# Altium PCB LimeSDR-PCIe_1v3.PcbDoc (part 2 of 10)
Units mm, origin at the board's own origin, x right, y up, seen from the top; angles counter-clockwise.
Board outline 136.85 x 68.9 mm, 12 copper layers (Top, L2, L3, L4, L5, L6, L7, L8, L9, L10, L11, Bottom), stack 1.638 mm thick; 831 components, 538 nets, 3821 pads, 1805 vias.
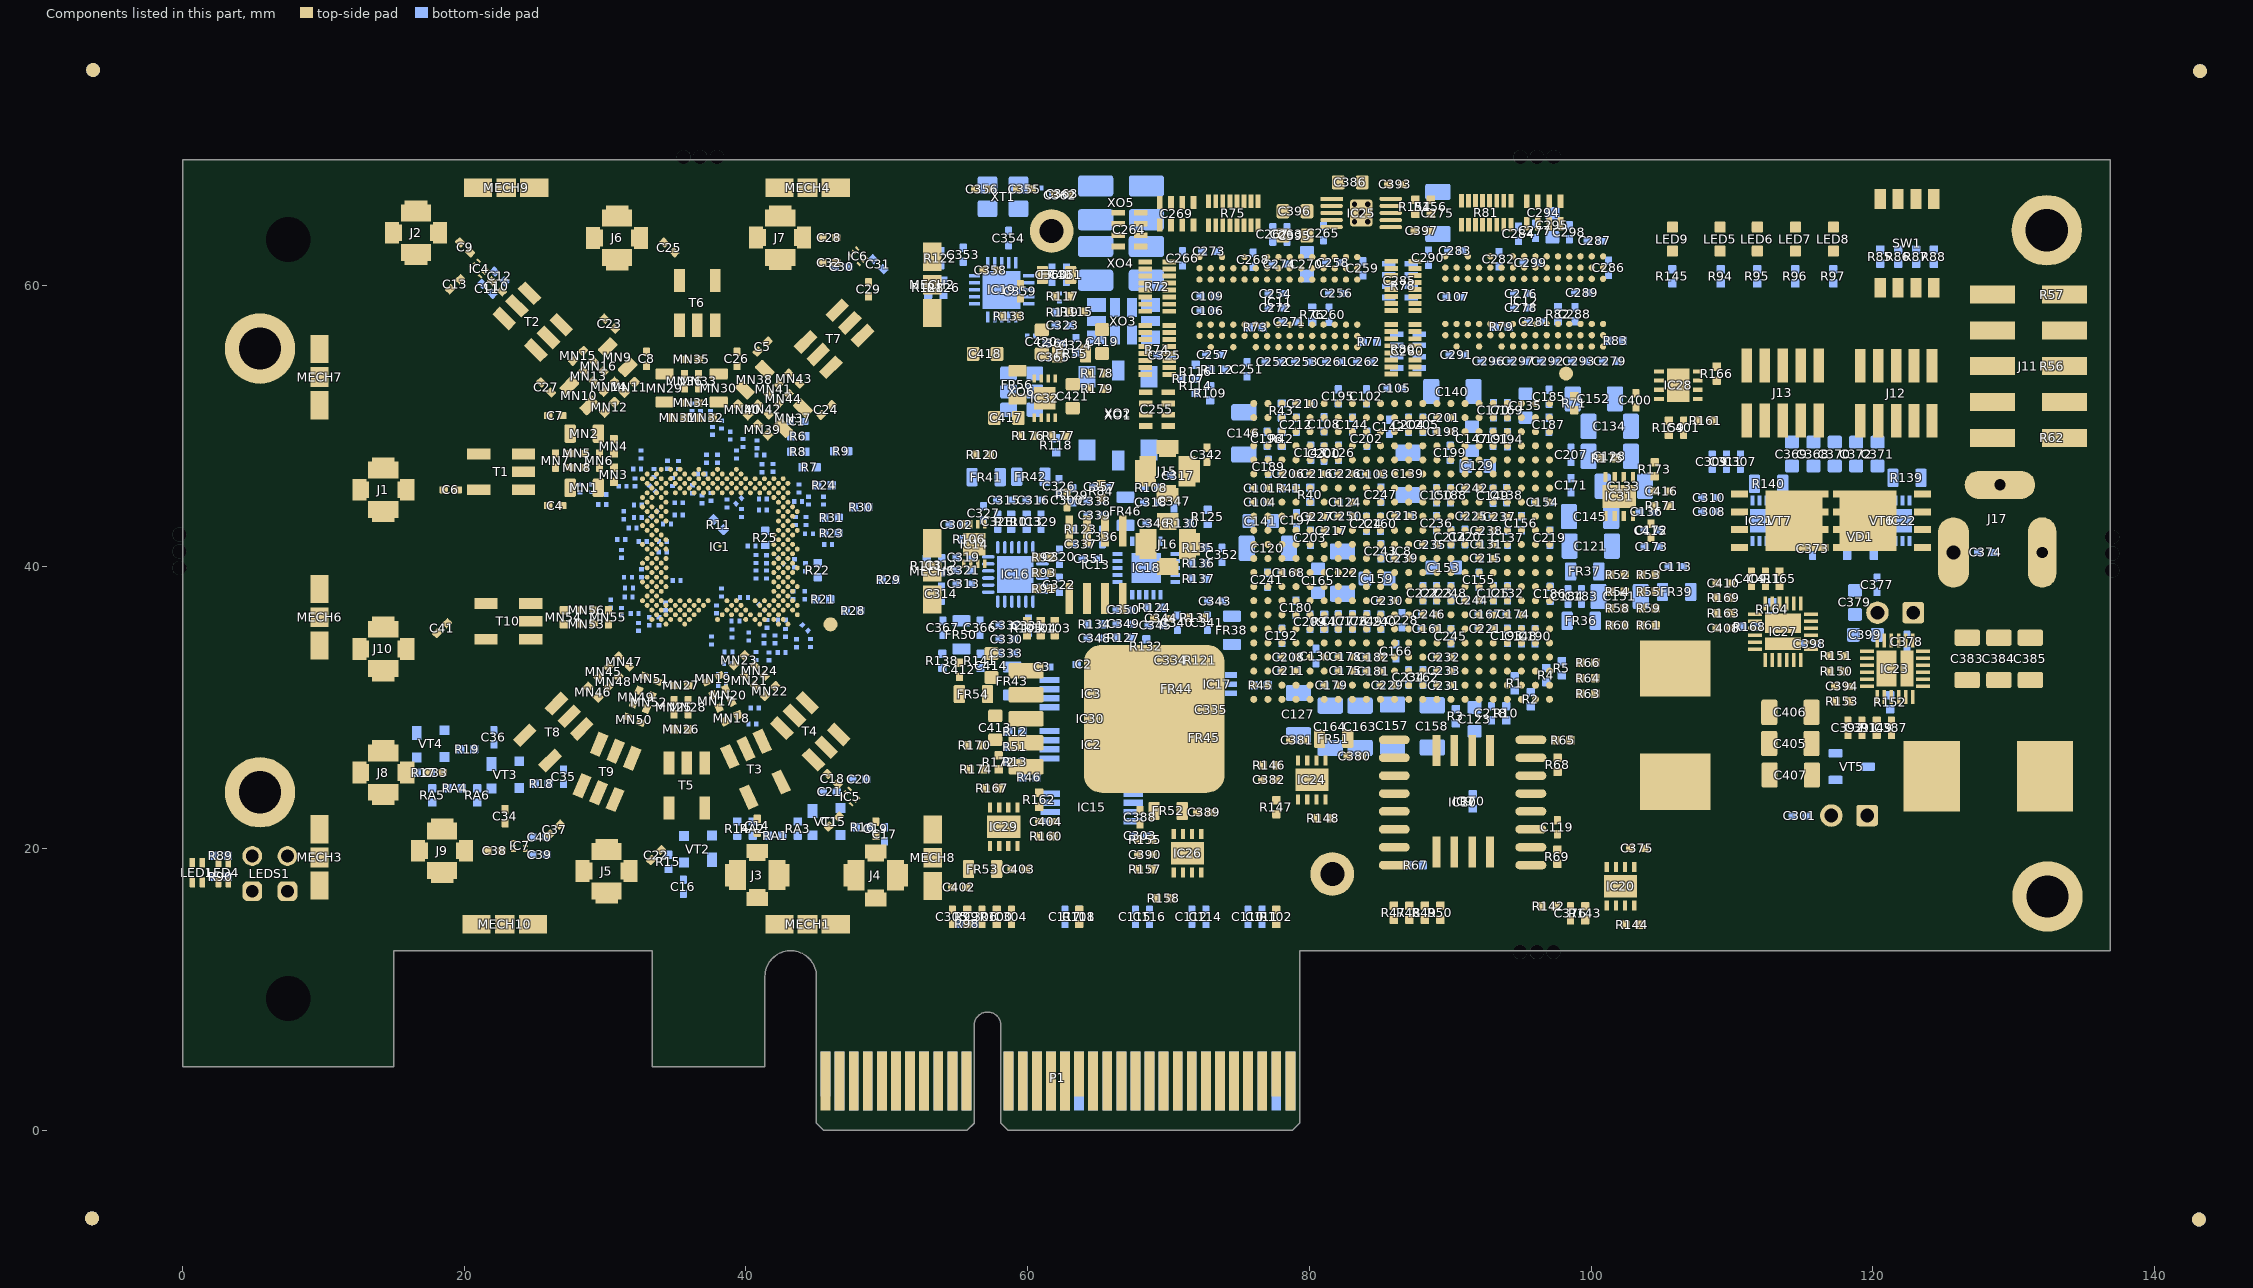
[diagram p12: the components of this part, seen from the top]

## Components (designator, comment, footprint, x,y, rotation, side; value= is the part's Value field where it differs from the comment) (continued)
C403 "4.7uF, 6.3V" CAP0402#2 59.375,18.525 r180 top
C404 "4.7uF, 6.3V" CAP0402#2 61.325,21.925 r180 top
C405 "220uF, 4V" CAP1206#2 114.143,27.462 r180 top
C406 "220uF, 4V" CAP1206#2 114.15,29.675 r180 top
C407 "220uF, 4V" CAP1206#2 114.175,25.225 r180 top
C408 "1uF, 10%" CAP0402#2 109.425,35.65 r180 top
C409 "68pF" CAP0402#2 111.375,39.15 r90 top
C410 "1500pF" CAP0402#2 109.425,38.85 r0 top
C411 "22nF, 50V" CAP0402#2 112.375,39.15 r90 top
C412 "4.7uF, 6.3V" CAP0402#2 55.15,32.7 r270 top
C413 "10uF, 20%" CAP0603#2 57.7,28.575 r270 top
C414 "10uF, 20%" CAP0603#2 57.425,33 r270 top
C415 "4.7uF, 6.3V" CAP0402#2 104.25,42.575 r270 top
C416 "4.7uF, 6.3V" CAP0402#2 105.012,45.375 r180 top
C417 "10uF, 20%" CAP0603#2 58.487,50.575 r0 top
C418 "10uF, 20%" CAP0603#2 56.975,55.125 r0 top
C419 "10uF, 25V" CAP0603#2 65.288,56 r270 top
C420 "10uF, 25V" CAP0603#2 61,55.975 r270 top
C421 "10uF, 25V" CAP0603#2 63.2,52.125 r90 top
F1 "Fiducial" FIDUCIAL 143.226,75.2 r0 top
F2 "Fiducial" FIDUCIAL 143.15,-6.326 r0 top
F3 "Fiducial" FIDUCIAL -6.426,-6.25 r0 top
F4 "Fiducial" FIDUCIAL -6.35,75.276 r0 top
F5 "Fiducial" FIDUCIAL -6.426,-6.25 r180 bottom
F6 "Fiducial" FIDUCIAL 143.15,-6.326 r180 bottom
F7 "Fiducial" FIDUCIAL 143.226,75.2 r180 bottom
F8 "Fiducial" FIDUCIAL -6.35,75.276 r180 bottom
FL1 "Fiducial" FIDUCIAL_LOCAL 46,35.925 r0 top
FL2 "Fiducial" FIDUCIAL_LOCAL 98.225,53.725 r90 top
FR1 "600R, 0.27A" RES0201 31.244,45.726 r180 bottom
FR2 "600R, 0.27A" RES0201 31.951,42.769 r0 bottom
FR3 "600R, 0.27A" RES0201 30.399,37.381 r270 bottom
FR4 "600R, 0.27A" RES0201 37.549,34.781 r270 bottom
FR5 "600R, 0.27A" RES0201 44.575,34.595 r270 bottom
FR6 "600R, 0.27A" RES0201 37.625,49.655 r90 bottom
FR7 "600R, 0.27A" RES0201 36.605,50.486 r0 bottom
FR8 "600R, 0.27A" RES0201 37.486,50.77 r270 bottom
FR9 "600R, 0.27A" RES0201 29.795,45.15 r0 bottom
FR10 "600R, 0.27A" RES0201 41.499,35.956 r270 bottom
FR11 "600R, 0.27A" RES0201 40.455,28.85 r180 bottom
FR12 "600R, 0.27A" RES0201 31.169,40.926 r90 bottom
FR13 "600R, 0.27A" RES0201 41.924,47.031 r270 bottom
FR14 "600R, 0.27A" RES0201 41.199,44.031 r180 bottom
FR15 "600R, 0.27A" RES0201 37.199,47.681 r90 bottom
FR16 "600R, 0.27A" RES0201 33.476,46.669 r270 bottom
FR17 "600R, 0.27A" RES0201 36.199,45.513 r270 bottom
FR18 "600R, 0.27A" RES0201 32.676,41.794 r0 bottom
FR19 "600R, 0.27A" RES0201 32.379,35.745 r90 bottom
FR20 "600R, 0.27A" RES0201 33.134,36.141 r90 bottom
FR21 "600R, 0.27A" RES0201 38.994,35.276 r270 bottom
FR22 "600R, 0.27A" RES0201 40.724,33.676 r270 bottom
FR23 "600R, 0.27A" RES0201 41.274,34.856 r270 bottom
FR24 "600R, 0.27A" RES0201 41.124,37.131 r315 bottom
FR25 "600R, 0.27A" RES0201 38.882,49.323 r90 bottom
FR26 "600R, 0.27A" RES0201 36.849,46.581 r180 bottom
FR27 "600R, 0.27A" RES0201 34.424,47.256 r90 bottom
FR28 "600R, 0.27A" RES0201 34.095,41.05 r0 bottom
FR29 "600R, 0.27A" RES0201 34.1,41.8 r0 bottom
FR30 "600R, 0.27A" RES0201 38.312,31.593 r0 bottom
FR31 "600R, 0.27A" RES0201 40.625,29.975 r0 bottom
FR32 "600R, 0.27A" RES0201 31.628,39.268 r180 bottom
FR33 "600R, 0.27A" RES0201 31.699,38.506 r180 bottom
FR34 "600R, 0.27A" RES0201 34.274,37.201 r270 bottom
FR35 "600R, 0.27A" RES0201 39.324,47.981 r90 bottom
FR36 "600R, 2A" RES0805#1 99.3,36.175 r180 bottom
FR37 "600R, 2A" RES0805#1 99.55,39.675 r180 bottom
FR38 "600R, 2A" RES0805#1 74.5,35.5 r90 bottom
FR39 "600R, 2A" RES0805#1 106.075,38.225 r180 bottom
FR40 "600R, 2A" RES0805#2 62.05,60.725 r0 top
FR41 "600R, 2A" RES0805#1 57.05,46.375 r180 bottom
FR42 "600R, 2A" RES0805#1 60.225,46.4 r0 bottom
FR43 "600R, 2A" RES0805#1 58.9,31.9 r90 bottom
FR44 "600R, 2A" RES0805#1 70.6,31.354 r90 bottom
FR45 "600R, 2A" RES0805#1 72.525,27.871 r90 bottom
FR46 "600R, 2A" RES0805#1 66.95,43.95 r270 bottom
FR47 "600R, 0.27A" RES0201 62.251,59.123 r90 bottom
FR48 "600R, 0.27A" RES0201 60.698,66.899 r0 bottom
FR49 "600R, 0.27A" RES0201 60.255,56.4 r0 bottom
FR50 "600R, 2A" RES0805#1 55.3,35.175 r90 bottom
FR51 "600R, 2A" RES0805#2 81.725,27.8 r180 top
FR52 "600R, 2A" RES0805#2 69.975,22.675 r0 top
FR53 "600R, 2A" RES0805#2 56.8,18.55 r0 top
FR54 "600R, 2A" RES0805#2 56.15,30.975 r0 top
FR55 "600R, 2A" RES0805#2 63.112,55.15 r180 top
FR56 "600R, 2A" RES0805#2 59.275,52.925 r90 top
IC1 "LMS7002M" LMS7002M_v2 37.984,41.437 r0 top locked
IC2 "M24128" 24FC512 64.5,27.375 r180 bottom
IC3 "24FC512" 24FC512 64.5,31 r180 bottom
IC4 "SKY13323" SKY13323-378LF 21.066,61.184 r315 top
IC5 "SKY13323" SKY13323-378LF 47.41,23.693 r135 top
IC6 "SKY13323" SKY13323-378LF 47.947,62.053 r315 top
IC7 "SKY13323" SKY13323-378LF 23.925,20.2 r0 top
IC8 "EP4CGX30CF23C7N" ALTR-FBGA484_A-200 86.55,41.1 r180 top locked
IC9 "S25FL164K" S25FL164K_WSO8N 90.925,23.35 r270 top
IC10 "S25FL164K" SOIC16_WIDE 90.875,23.275 r180 top
IC11 "AS4C64M16D2-25BCN" AS4C64M16D2 77.8,58.8 r270 top
IC12 "AS4C64M16D2-25BCN" AS4C64M16D2 95.25,58.85 r270 top
IC13 "M25P40" M25P40-VMN6TPB_SO8N 64.85,40.15 r90 top
IC14 "LM75" HWSON8_LM75 56.2,41.625 r90 top
IC15 "M24128" 24FC512 64.55,22.925 r0 bottom
IC16 "LMK00105" LMK00105SQ 59.125,39.462 r270 bottom
IC17 "AD5601BKSZ-REEL7" AD5601_SOT23-6 73.475,31.675 r180 bottom
IC18 "ADF4002" ADF4002 68.425,39.925 r0 bottom
IC19 "Si5351C" Si5351C_20QFN 58.15,59.675 r90 bottom
IC20 "AP7361-FGE" AP7361 102.087,17.325 r90 top
IC21 "LTC4357" LTC4357 111.95,43.275 r90 bottom
IC22 "LTC4357" LTC4357 122.1,43.275 r270 bottom
IC23 "ADP2386" ADP2386 121.574,32.776 r90 top
IC24 "AP7361-FGE" AP7361 80.175,24.875 r90 top
IC25 "RT9026" MSOP10 81.575,66.125 r0 top
IC26 "AP7361-FGE" AP7361 71.35,19.675 r90 top
IC27 "ADP2386" ADP2386 113.625,35.4 r0 top
IC28 "AP7361-FGE" AP7361 106.2,52.9 r180 top
IC29 "AP7361-FGE" AP7361 58.3,21.55 r270 top
IC30 "LP38503TS" TO-263-5_v2 65.936,29.215 r0 top
IC31 "AP7361-FGE" AP7361 102,45 r270 top
IC32 "SPX3819R2" SPX3819R2-L/TR 61.212,51.975 r270 top
J1 "U.FL/MMCX" MMCX_UFL_conn_u 14.25,45.475 r270 top
J2 "U.FL/MMCX" MMCX_UFL_conn_u 16.575,63.725 r270 top
J3 "U.FL/MMCX" MMCX_UFL_conn_u 40.8,18.125 r0 top
J4 "U.FL/MMCX" MMCX_UFL_conn_u 49.216,18.1 r0 top
J5 "U.FL/MMCX" MMCX_UFL_conn_u 30.1,18.4 r270 top
J6 "U.FL/MMCX" MMCX_UFL_conn_u 30.85,63.36 r270 top
J7 "U.FL/MMCX" MMCX_UFL_conn_u 42.425,63.375 r270 top
J8 "U.FL/MMCX" MMCX_UFL_conn_u 14.251,25.401 r270 top
J9 "U.FL/MMCX" MMCX_UFL_conn_u 18.425,19.85 r270 top
J10 "U.FL/MMCX" MMCX_UFL_conn_u 14.25,34.175 r270 top
J11 "JTAG_10pinConnector" HEADER5x2_SM 131.05,54.25 r90 top locked
J12 "FPGA GPIO" SWD_10_pin 121.65,52.325 r0 top
J13 "FPGA GPIO" SWD_10_pin 113.6,52.35 r0 top
J14 "12V FAN" HDR_1X2 118.325,22.35 r270 top
J15 "U.FL/MMCX" MMCX_UFL_conn_u 69.925,46.8 r180 top
J16 "U.FL/MMCX" MMCX_UFL_conn_u 69.95,41.625 r0 top
J17 "CONN_PWR_JACK_2.1x5.5mm" CONN_PWR_JACK_v2 139.725,41.025 r270 top locked
J18 "12V" HDR_1X2 121.6,36.75 r270 top
L1 "2.2uH" FDVE1040_TOKO_INDUCTOR 128.204,25.149 r0 top
L2 "1uH" FDVE1040_TOKO_INDUCTOR 105.987,28.762 r270 top
LED1 "LED_RG_SMD" LED-2x0603 1.075,18.225 r270 top
LED4 "LED_RG_SMD" LED-2x0603 2.925,18.225 r270 top
LED5 "LED_green" LED-0603-GREEN 109.155,63.275 r90 top
LED6 "LED_green" LED-0603-GREEN 111.8,63.275 r90 top
LED7 "LED_green" LED-0603-GREEN 114.505,63.275 r90 top
LED8 "LED_green" LED-0603-GREEN 117.205,63.275 r90 top
LED9 "LED_green" LED-0603-GREEN 105.775,63.275 r90 top
LEDS1 "2xLED standoff" LED_STANDOFF_H-201C 6.2,18.225 r90 top
MECH1 "RFI Shield clip" RFI_SHIELD_CLPS_MINI 44.375,14.625 r180 top
MECH2 "RFI Shield clip" RFI_SHIELD_CLPS_MINI 53.225,60.025 r90 top
MECH3 "RFI Shield clip" RFI_SHIELD_CLPS_MINI 9.725,19.375 r90 top
MECH4 "RFI Shield clip" RFI_SHIELD_CLPS_MINI 44.375,66.925 r180 top
MECH5 "RFI Shield clip" RFI_SHIELD_CLPS_MINI 53.225,39.675 r90 top
MECH6 "RFI Shield clip" RFI_SHIELD_CLPS_MINI 9.725,36.425 r90 top
MECH7 "RFI Shield clip" RFI_SHIELD_CLPS_MINI 9.725,53.475 r90 top
MECH8 "RFI Shield clip" RFI_SHIELD_CLPS_MINI 53.25,19.35 r90 top
MECH9 "RFI Shield clip" RFI_SHIELD_CLPS_MINI 22.975,66.925 r180 top
MECH10 "RFI Shield clip" RFI_SHIELD_CLPS_MINI 22.875,14.625 r180 top
MECH11 "# pcs." PCB_standoff 132.35,63.9 r0 top locked
MECH12 "# pcs." PCB_standoff 132.4,16.6 r0 top
MECH13 "# pcs." PCB_standoff 5.5,24 r0 top
MECH14 "# pcs." PCB_standoff 5.5,55.5 r0 top
MN1 "100uH" RES0805#2 28.52,45.617 r180 top
MN2 "100uH" RES0805#2 28.52,49.462 r180 top
MN3 "47nH" RES0402#1 30.63,46.552 r270 top
MN4 "47nH" RES0402#1 30.63,48.552 r90 top
MN5 "100nF, 10%" CAP0402#2 28.03,48.052 r0 top
MN6 "0.5pF" CAP0402#2 29.59,47.553 r90 top
MN7 "2pF" CAP0402#2 26.48,47.552 r90 top
MN8 "100nF, 10%" CAP0402#2 28.03,47.052 r180 top
MN9 "0uH (0R)" RES0805#2 30.888,54.888 r135 top
MN10 "0uH (0R)" RES0805#2 28.17,52.169 r135 top
MN11 "8.2nH, 5%" RES0402#1 31.729,52.745 r45 top
MN12 "8.2nH, 5%" RES0402#1 30.315,51.331 r225 top
MN13 "0.8pF" CAP0402#2 28.83,53.534 r315 top
MN14 "1pF" CAP0402#2 30.279,52.791 r45 top
MN15 "0.5pF" CAP0402#2 28.087,54.983 r225 top
MN16 "0.8pF" CAP0402#2 29.537,54.241 r315 top
MN17 "510pF" CAP0402#2 37.875,30.454 r115 top
MN18 "8.2nH, 5%" RES0402#1 38.983,29.261 r205 top
MN19 "1.2pF" CAP0402#2 37.673,32.059 r205 top
MN20 "510pF" CAP0402#2 38.781,30.877 r115 top
MN21 "2pF" CAP0402#2 40.268,31.924 r135 top
MN22 "0.5pF" CAP0402#2 41.718,31.182 r225 top
MN23 "1pF" CAP0402#2 39.526,33.374 r225 top
MN24 "2pF" CAP0402#2 40.976,32.631 r135 top
MN25 "100pF, 5%" CAP0402#2 34.899,30.033 r90 top
MN26 "10nH, 5%" RES0402#1 35.399,28.483 r180 top
MN27 "0.8pF" CAP0402#2 35.399,31.583 r0 top
MN28 "100pF, 5%" CAP0402#2 35.899,30.033 r90 top
MN29 "100uH" RES0805#2 34.22,52.701 r90 top
MN30 "100uH" RES0805#2 38.065,52.701 r90 top
MN31 "47nH" RES0402#1 35.144,50.591 r180 top
MN32 "47nH" RES0402#1 37.144,50.591 r0 top
MN33 "100nF, 10%" CAP0402#2 36.645,53.191 r270 top
MN34 "0.5pF" CAP0402#2 36.144,51.641 r0 top
MN35 "2pF" CAP0402#2 36.144,54.741 r0 top
MN36 "100nF, 10%" CAP0402#2 35.645,53.191 r90 top
MN37 "0uH (0R)" RES0805#2 43.343,50.571 r45 top
MN38 "0uH (0R)" RES0805#2 40.624,53.289 r45 top
MN39 "8.2nH, 5%" RES0402#1 41.2,49.73 r315 top
MN40 "8.2nH, 5%" RES0402#1 39.786,51.144 r135 top
MN41 "0.8pF" CAP0402#2 41.978,52.629 r225 top
MN42 "1pF" CAP0402#2 41.236,51.179 r315 top
MN43 "0.5pF" CAP0402#2 43.428,53.371 r135 top
MN44 "0.8pF" CAP0402#2 42.685,51.922 r225 top
MN45 "510pF" CAP0402#2 29.893,32.552 r45 top
MN46 "8.2nH, 5%" RES0402#1 29.151,31.103 r135 top
MN47 "1.2pF" CAP0402#2 31.343,33.284 r135 top
MN48 "510pF" CAP0402#2 30.601,31.845 r45 top
MN49 "2pF" CAP0402#2 32.2,30.764 r67.5 top
MN50 "0.5pF" CAP0402#2 32.069,29.141 r157.5 top
MN51 "1pF" CAP0402#2 33.274,32.051 r157.5 top
MN52 "2pF" CAP0402#2 33.124,30.381 r67.5 top
MN53 "100pF, 5%" CAP0402#2 28.681,35.937 r0 top
MN54 "10nH, 5%" RES0402#1 27.071,36.421 r270 top
MN55 "0.8pF" CAP0402#2 30.231,36.437 r90 top
MN56 "100pF, 5%" CAP0402#2 28.681,36.926 r0 top
P1 "PCIeX4-GF-2D-1000-1K-O64" PCIeX4-GF-2D-1000-1K-O64 59.75,3.25 r0 top locked
R1 "10k, 1%" RES0402#2 94.575,31.725 r270 bottom
R2 "10k, 1%" RES0402#2 95.725,30.6 r270 bottom
R3 "10k, 1%" RES0402#2 90.4,29.4 r90 bottom
R4 "10k, 1%" RES0402#2 96.825,32.325 r90 bottom
R5 "10k, 1%" RES0402#2 97.925,32.8 r270 bottom
R6 "49.9R, 1%" RES0402#2 43.725,49.275 r0 bottom
R7 "49.9R, 1%" RES0402#2 44.525,47.075 r0 bottom
R8 "49.9R, 1%" RES0402#2 43.725,48.175 r0 bottom
R9 "49.9R, 1%" RES0402#2 46.75,48.225 r0 bottom
R10 "10k, 1%" RES0402#2 93.975,29.6 r90 bottom
R11 "10k, 1%" RES0402#2 38.05,43 r315 bottom
R12 "2k2, 1%" RES0402#2 59.125,28.3 r0 bottom
R13 "2k2, 1%" RES0402#2 59.125,26.15 r0 bottom
R14 "1k, 1%" RES0402#2 39.374,21.425 r90 bottom
R15 "100R, 1%" RES0402#2 34.499,19.056 r270 bottom
R16 "100R, 1%" RES0402#2 48.303,21.523 r180 bottom
R17 "1k, 1%" RES0402#2 17.125,25.375 r0 bottom
R18 "100R, 1%" RES0402#2 25.503,24.598 r180 bottom
R19 "100R, 1%" RES0402#2 20.202,27.048 r0 bottom
R20 "0R" RES0201 40.769,48.701 r90 bottom
R21 "0R" RES0402#2 45.474,37.706 r180 bottom
R22 "0R" RES0402#2 45.1,39.775 r90 bottom
R23 "0R" RES0402#2 46.074,42.406 r180 bottom
R24 "0R" RES0402#2 45.575,45.8 r180 bottom
R25 "0R" RES0402#2 41.374,42.056 r270 bottom
R26 "10R" RES0201 29.054,45.59 r90 bottom
R27 "10R" RES0201 43.574,34.581 r90 bottom
R28 "0R" RES0402#2 47.6,36.9 r0 bottom
R29 "0R" RES0402#2 50.15,39.1 r0 bottom
R30 "0R" RES0402#2 48.175,44.25 r0 bottom
R31 "0R" RES0402#2 46.075,43.5 r0 bottom
R32 "10R" RES0201 32.27,46.946 r180 bottom
R33 "0R" RES0201 35.23,44.556 r0 bottom
R34 "0R" RES0201 32.324,44.381 r180 bottom
R35 "0R" RES0201 38.755,33.95 r180 bottom
R36 "10R" RES0201 41.624,33.651 r90 bottom
R37 "0R" RES0201 39.674,43.826 r90 bottom
R38 "0R" RES0201 34.799,46.031 r90 bottom
R39 "0R" RES0201 33.478,43.756 r45 bottom
R40 "49.9R, 1%" RES0402#2 80.075,45.125 r270 bottom
R41 "49.9R, 1%" RES0402#2 78.55,45.6 r0 bottom
R42 "49.9R, 1%" RES0402#2 78.05,49.1 r270 bottom
R43 "49.9R, 1%" RES0402#2 78.05,51.1 r270 bottom
R44 "49.9R, 1%" RES0402#2 81.05,36.1 r90 bottom
R45 "49.9R, 1%" RES0402#2 76.55,31.6 r0 bottom
R46 "0R" RES0402#2 60.125,25.05 r0 bottom
R47 "0R" RES0402#1 86.002,15.452 r90 top
R48 "0R" RES0402#1 87.1,15.45 r90 top
R49 "0R" RES0402#1 88.2,15.45 r90 top
R50 "0R" RES0402#1 89.3,15.45 r90 top
R51 "0R" RES0402#2 59.125,27.225 r180 bottom
R52 "0R" RES0402#1 101.875,39.45 r180 top
R53 "0R" RES0402#1 104.075,39.45 r180 top
R54 "0R" RES0402#1 101.875,38.25 r180 top
R55 "0R" RES0402#1 104.075,38.25 r180 top
R56 "10k, 1%" RES0402#2 132.75,54.25 r180 bottom
R57 "10k, 1%" RES0402#2 132.75,59.336 r180 bottom
R58 "0R" RES0402#1 101.875,37.05 r180 top
R59 "0R" RES0402#1 104.075,37.05 r180 top
R60 "0R" RES0402#1 101.875,35.85 r180 top
R61 "0R" RES0402#1 104.075,35.85 r180 top
R62 "1k, 1%" RES0402#2 132.75,49.164 r0 bottom
R63 "10k, 1%" RES0402#1 99.8,31 r180 top
R64 "10k, 1%" RES0402#1 99.8,32.1 r180 top
R65 "22R" RES0402#1 98.035,27.7 r0 top
R66 "10k, 1%" RES0402#1 99.8,33.2 r180 top
R67 "100K" RES0402#2 87.55,18.825 r180 bottom
R68 "4K7" RES0402#1 97.625,25.95 r90 top
R69 "4K7" RES0402#1 97.6,19.425 r270 top
R70 "4K7" RES0402#2 91.6,23.35 r90 bottom
R71 "2k, 1%" RES0402#1 98.8,51.625 r270 top
R72 "8x56R" EXB2HV 69.2,59.9 r180 top
R73 "100R, 1%" RES0402#2 76.2,57 r180 bottom
R74 "8x56R" EXB2HV 69.2,55.4 r180 top
R75 "8x56R" EXB2HV 74.6,65.1 r90 top
R76 "100R, 1%" RES0402#2 80.2,57.9 r270 bottom
R77 "100R, 1%" RES0402#2 84.3,56 r180 bottom
R78 "8x56R" EXB2HV 86.65,59.95 r180 top
R79 "100R, 1%" RES0402#2 93.65,57.05 r180 bottom
R80 "8x56R" EXB2HV 86.65,55.45 r180 top
R81 "8x56R" EXB2HV 92.55,65.15 r90 top
R82 "100R, 1%" RES0402#2 97.65,57.95 r270 bottom
R83 "100R, 1%" RES0402#2 101.75,56.05 r180 bottom
R84 "100K" RES0402#1 65.225,45.375 r270 top
R85 "10k, 1%" RES0402#2 120.53,62.025 r270 bottom
R86 "10k, 1%" RES0402#2 121.8,62.025 r270 bottom
R87 "10k, 1%" RES0402#2 123.07,62.025 r270 bottom
R88 "10k, 1%" RES0402#2 124.34,62.025 r270 bottom
R89 "100R, 1%" RES0402#2 2.7,19.5 r0 bottom
R90 "100R, 1%" RES0402#2 2.7,18 r180 bottom
R91 "4K7" RES0402#1 61.175,38.45 r0 top
R92 "4K7" RES0402#1 61.175,40.675 r0 top
R93 "4K7" RES0402#1 61.175,39.575 r0 top
R94 "249R, 1%" RES0402#2 109.2,60.625 r90 bottom
R95 "249R, 1%" RES0402#2 111.795,60.625 r90 bottom
R96 "249R, 1%" RES0402#2 114.5,60.625 r90 bottom
R97 "249R, 1%" RES0402#2 117.2,60.625 r90 bottom
R98 "0R" RES0402#2 55.7,14.65 r180 bottom
R99 "0R" RES0402#1 55.7,15.15 r270 top
R100 "0R" RES0402#1 57.8,15.15 r270 top
R101 "0R" RES0402#1 63.65,15.15 r270 top
R102 "0R" RES0402#1 77.65,15.15 r270 top
R103 "1k, 1%" RES0402#1 61.925,35.65 r270 top
R104 "1k, 1%" RES0402#1 60.925,35.65 r270 top
R105 "10k, 1%" RES0402#1 59.95,35.65 r270 top
R106 "0R" RES0402#2 55.85,41.95 r180 bottom
R107 "0R" RES0402_v2 71.425,53.35 r180 bottom
R108 "0R" RES0402#2 68.775,45.625 r0 bottom
R109 "0R" RES0402_V2 72.95,52.325 r90 bottom
R110 "0R" RES0402#2 58.825,43.212 r270 bottom
R111 "49.9R, 1%" RES0402#2 52.85,40.1 r270 bottom
R112 "0R" RES0402_V2 73.45,54 r0 bottom
R113 "0R" RES0402#2 59.925,43.212 r270 bottom
R114 "0R" RES0402_V2 71.925,52.85 r270 bottom
R115 "0R" RES0402#1 63.5,58.1 r180 top
R116 "0R" RES0402_V2 71.925,53.85 r90 bottom
R117 "0R" RES0402#1 62.5,59.2 r180 top
R118 "0R" RES0402#2 62.025,48.625 r90 bottom
R119 "22R" RES0402#2 62.5,58.075 r0 bottom
R120 "0R" RES0402#1 56.8,47.95 r0 top
R121 "0R" RES0402#2 72.261,33.36 r180 bottom
R122 "0R" RES0402#2 53.799,61.923 r270 bottom
R123 "49.9R, 1%" RES0402#2 63.75,42.675 r0 bottom
R124 "10R, 5%" RES0402#2 69.025,37.1 r0 bottom
R125 "1k, 1%" RES0402#2 72.775,43.55 r90 bottom
R126 "0R" RES0402#2 54.025,59.825 r270 bottom
R127 "470R, 0.5%" RES0402#2 66.825,34.975 r180 bottom
R128 "0R" RES0402#2 52.925,59.825 r90 bottom
R129 "0R" RES0402#2 63.165,45.082 r90 bottom
R130 "49.9R, 1%" RES0402#2 71,43.1 r180 bottom
R131 "10k, 1%" RES0402#1 71.95,36.375 r180 top
R132 "10k, 1%" RES0402#2 68.425,34.35 r270 bottom
R133 "0R" RES0402#1 58.725,57.8 r180 top
R134 "330R, 5%" RES0402#2 64.775,35.925 r0 bottom
R135 "49.9R, 1%" RES0402#2 72.15,41.35 r180 bottom
R136 "49.9R, 1%" RES0402#2 72.15,40.25 r180 bottom
R137 "49.9R, 1%" RES0402#2 72.15,39.15 r180 bottom
R138 "0R" RES0402#2 53.95,33.325 r270 bottom
R139 "0R" RES0805#1 122.425,46.325 r0 bottom
R140 "0R" RES0805#1 112.6,45.9 r180 bottom
R141 "0R" RES0402#2 56.65,33.325 r270 bottom
R142 "0R" RES0402#1 96.987,15.9 r0 top
R143 "1k, 1%" RES0402#1 99.575,15.4 r90 top
R144 "470R, 0.5%" RES0402#1 102.912,14.6 r0 top
R145 "470R, 0.5%" RES0402#2 105.77,60.625 r270 bottom
R146 "0R" RES0402#1 77.163,25.925 r0 top
R147 "1k, 1%" RES0402#1 77.663,22.95 r90 top
R148 "806R, 1%" RES0402#1 81,22.15 r0 top
R149 "10k, 1%" RES0402#1 120.274,28.576 r90 top
R150 "44.2k, 1%" RES0402#1 117.45,32.575 r0 top
R151 "100k, 5%" RES0402#1 117.449,33.676 r180 top
R152 "2.21k, 1%" RES0402#2 121.224,30.401 r270 bottom
R153 "44.2k, 1%" RES0402#1 117.824,30.476 r0 top
R154 "10k, 1%" RES0402#1 87.525,65.575 r270 top
R155 "0R" RES0402#1 68.338,20.625 r0 top
R156 "10k, 1%" RES0402#1 88.625,65.575 r270 top
R157 "750R, 1%" RES0402#1 68.337,18.525 r180 top
R158 "1k, 1%" RES0402#1 69.65,16.475 r0 top
R159 "0R" RES0402#1 105.525,49.888 r90 top
R160 "0R" RES0402#1 61.325,20.875 r180 top
R161 "1k, 1%" RES0402#1 108.125,50.388 r180 top
R162 "560R, 1%" RES0402#1 60.812,23.475 r270 top
R163 "10k, 1%" RES0402#1 109.425,36.7 r0 top
R164 "44.2k, 1%" RES0402#2 112.875,37 r90 bottom
R165 "124k, 1%" RES0402#1 113.375,39.15 r90 top
R166 "806R, 1%" RES0402#1 108.925,53.725 r90 top
R167 "1k, 1%" RES0402#1 57.475,24.275 r0 top
R168 "10k, 1%" RES0402#2 111.25,35.75 r0 bottom
R169 "66.5k, 1%" RES0402#1 109.425,37.8 r0 top
R170 "0R" RES0402#1 56.25,27.325 r0 top
R171 "0R" RES0402#1 105.012,44.325 r180 top
R172 "10k, 1%" RES0402#1 57.95,26.125 r270 top
R173 "1k, 1%" RES0402#1 104.512,46.925 r270 top
R174 "10k, 1%" RES0402#1 56.35,25.625 r180 top
R175 "806R, 1%" RES0402#1 101.175,47.725 r180 top
R176 "39k, 1%" RES0402#1 60.025,49.3 r0 top
R177 "23.2k, 1%" RES0402#1 62.2,49.3 r180 top
R178 "10k, 1%" RES0402#1 64.925,53.75 r180 top
R179 "0R" RES0402#1 64.925,52.65 r0 top
RA1 "453R, 1%" RES0402#2 42.074,20.925 r0 bottom
RA2 "49.9R, 1%" RES0402#2 40.474,21.425 r270 bottom
RA3 "49.9R, 1%" RES0402#2 43.674,21.425 r270 bottom
RA4 "453R, 1%" RES0402#2 19.325,24.275 r0 bottom
RA5 "49.9R, 1%" RES0402#2 17.725,23.775 r90 bottom
RA6 "49.9R, 1%" RES0402#2 20.925,23.775 r90 bottom
SW1 "4 bit switch" SW_4WAY_SMD_1P27 122.43,62.975 r180 top
T1 "TC1-1-13MA+" TC1-1-13MA+_v2 22.622,46.752 r270 top
T2 "TCM1-63AX+" TCM1-63AX+_v2 24.859,57.412 r45 top
T3 "TC1-1-13MA+" TC1-1-13MA+_v2 40.673,25.635 r25 top
T4 "TCM1-63AX+" TCM1-63AX+_v2 44.571,28.328 r225 top
T5 "TC1-1-13MA+" TC1-1-13MA+_v2 35.799,24.483 r0 top
T6 "TC1-1-13MA+" TC1-1-13MA+_v2 36.545,58.741 r180 top
T7 "TCM1-63AX+" TCM1-63AX+_v2 46.256,56.2 r315 top
T8 "TC1-1-13MA+" TC1-1-13MA+_v2 26.323,28.274 r315 top
T9 "TCM1-63AX+" TCM1-63AX+_v2 30.138,25.445 r157.5 top
T10 "TC1-1-13MA+" TC1-1-13MA+_v2 23.131,36.137 r270 top
TP1 "TESTPOINT_THT_MINI" TP-THT-MIDI 61.7,63.85 r0 top
TP2 "TESTPOINT_THT_MINI" TP-THT-MIDI 81.625,18.2 r0 top
VD1 "MMBD1205" SOT23-3_v2 119.125,42.125 r90 bottom
VT1 "RF MOSFET" BF1105R_SOT143R4 45.712,21.912 r90 bottom
VT2 "RF MOSFET" BF1105R_SOT143R4 36.589,19.97 r270 bottom
VT3 "RF MOSFET" BF1105R_SOT143R4 22.913,25.237 r90 bottom
VT4 "RF MOSFET" BF1105R_SOT143R4 17.612,27.437 r90 bottom
VT5 "NDS331N" SOT23-3 118.5,25.825 r0 bottom
VT6 "BSC093N04LS G" BSC093N04LS_G 120.65,43.275 r180 top
VT7 "BSC093N04LS G" BSC093N04LS_G 113.4,43.275 r0 top
XO1 "30.72 MHz" RAKON_RPT7050A 66.425,50.75 r270 bottom
XO2 "TCXO 30.72MHz" RAKON_TXCO 66.425,50.75 r270 bottom
XO3 "RTX5032A, 40MHz, w VC, w Filter" RAKON_RTX5032A 66.8,57.45 r0 bottom
XO4 "CRYSTAL 100MHz" CRYSTAL_4-LCC_v4 66.625,61.55 r0 bottom
XO5 "CRYSTAL 50MHz (nr. 1)" CRYSTAL_4-LCC_v4 66.626,65.848 r0 bottom
XO6 "125MHz LVDS" CRYSTAL_6-LCC 60.5,52.45 r270 bottom
XT1 "25MHz" CRYSTAL_4-LCC 58.25,66.275 r180 bottom
